# Altium PCB US_EPS_GHW.PcbDoc (part 2 of 3)
Units mm, origin at the board's own origin, x right, y up, seen from the top; angles counter-clockwise.
Board outline 89 x 93.3 mm, 4 copper layers (Top Layer, Ground Plane, Signal Layer 1, Bottom Layer), stack 1.643 mm thick; 363 components, 215 nets, 1168 pads, 510 vias.
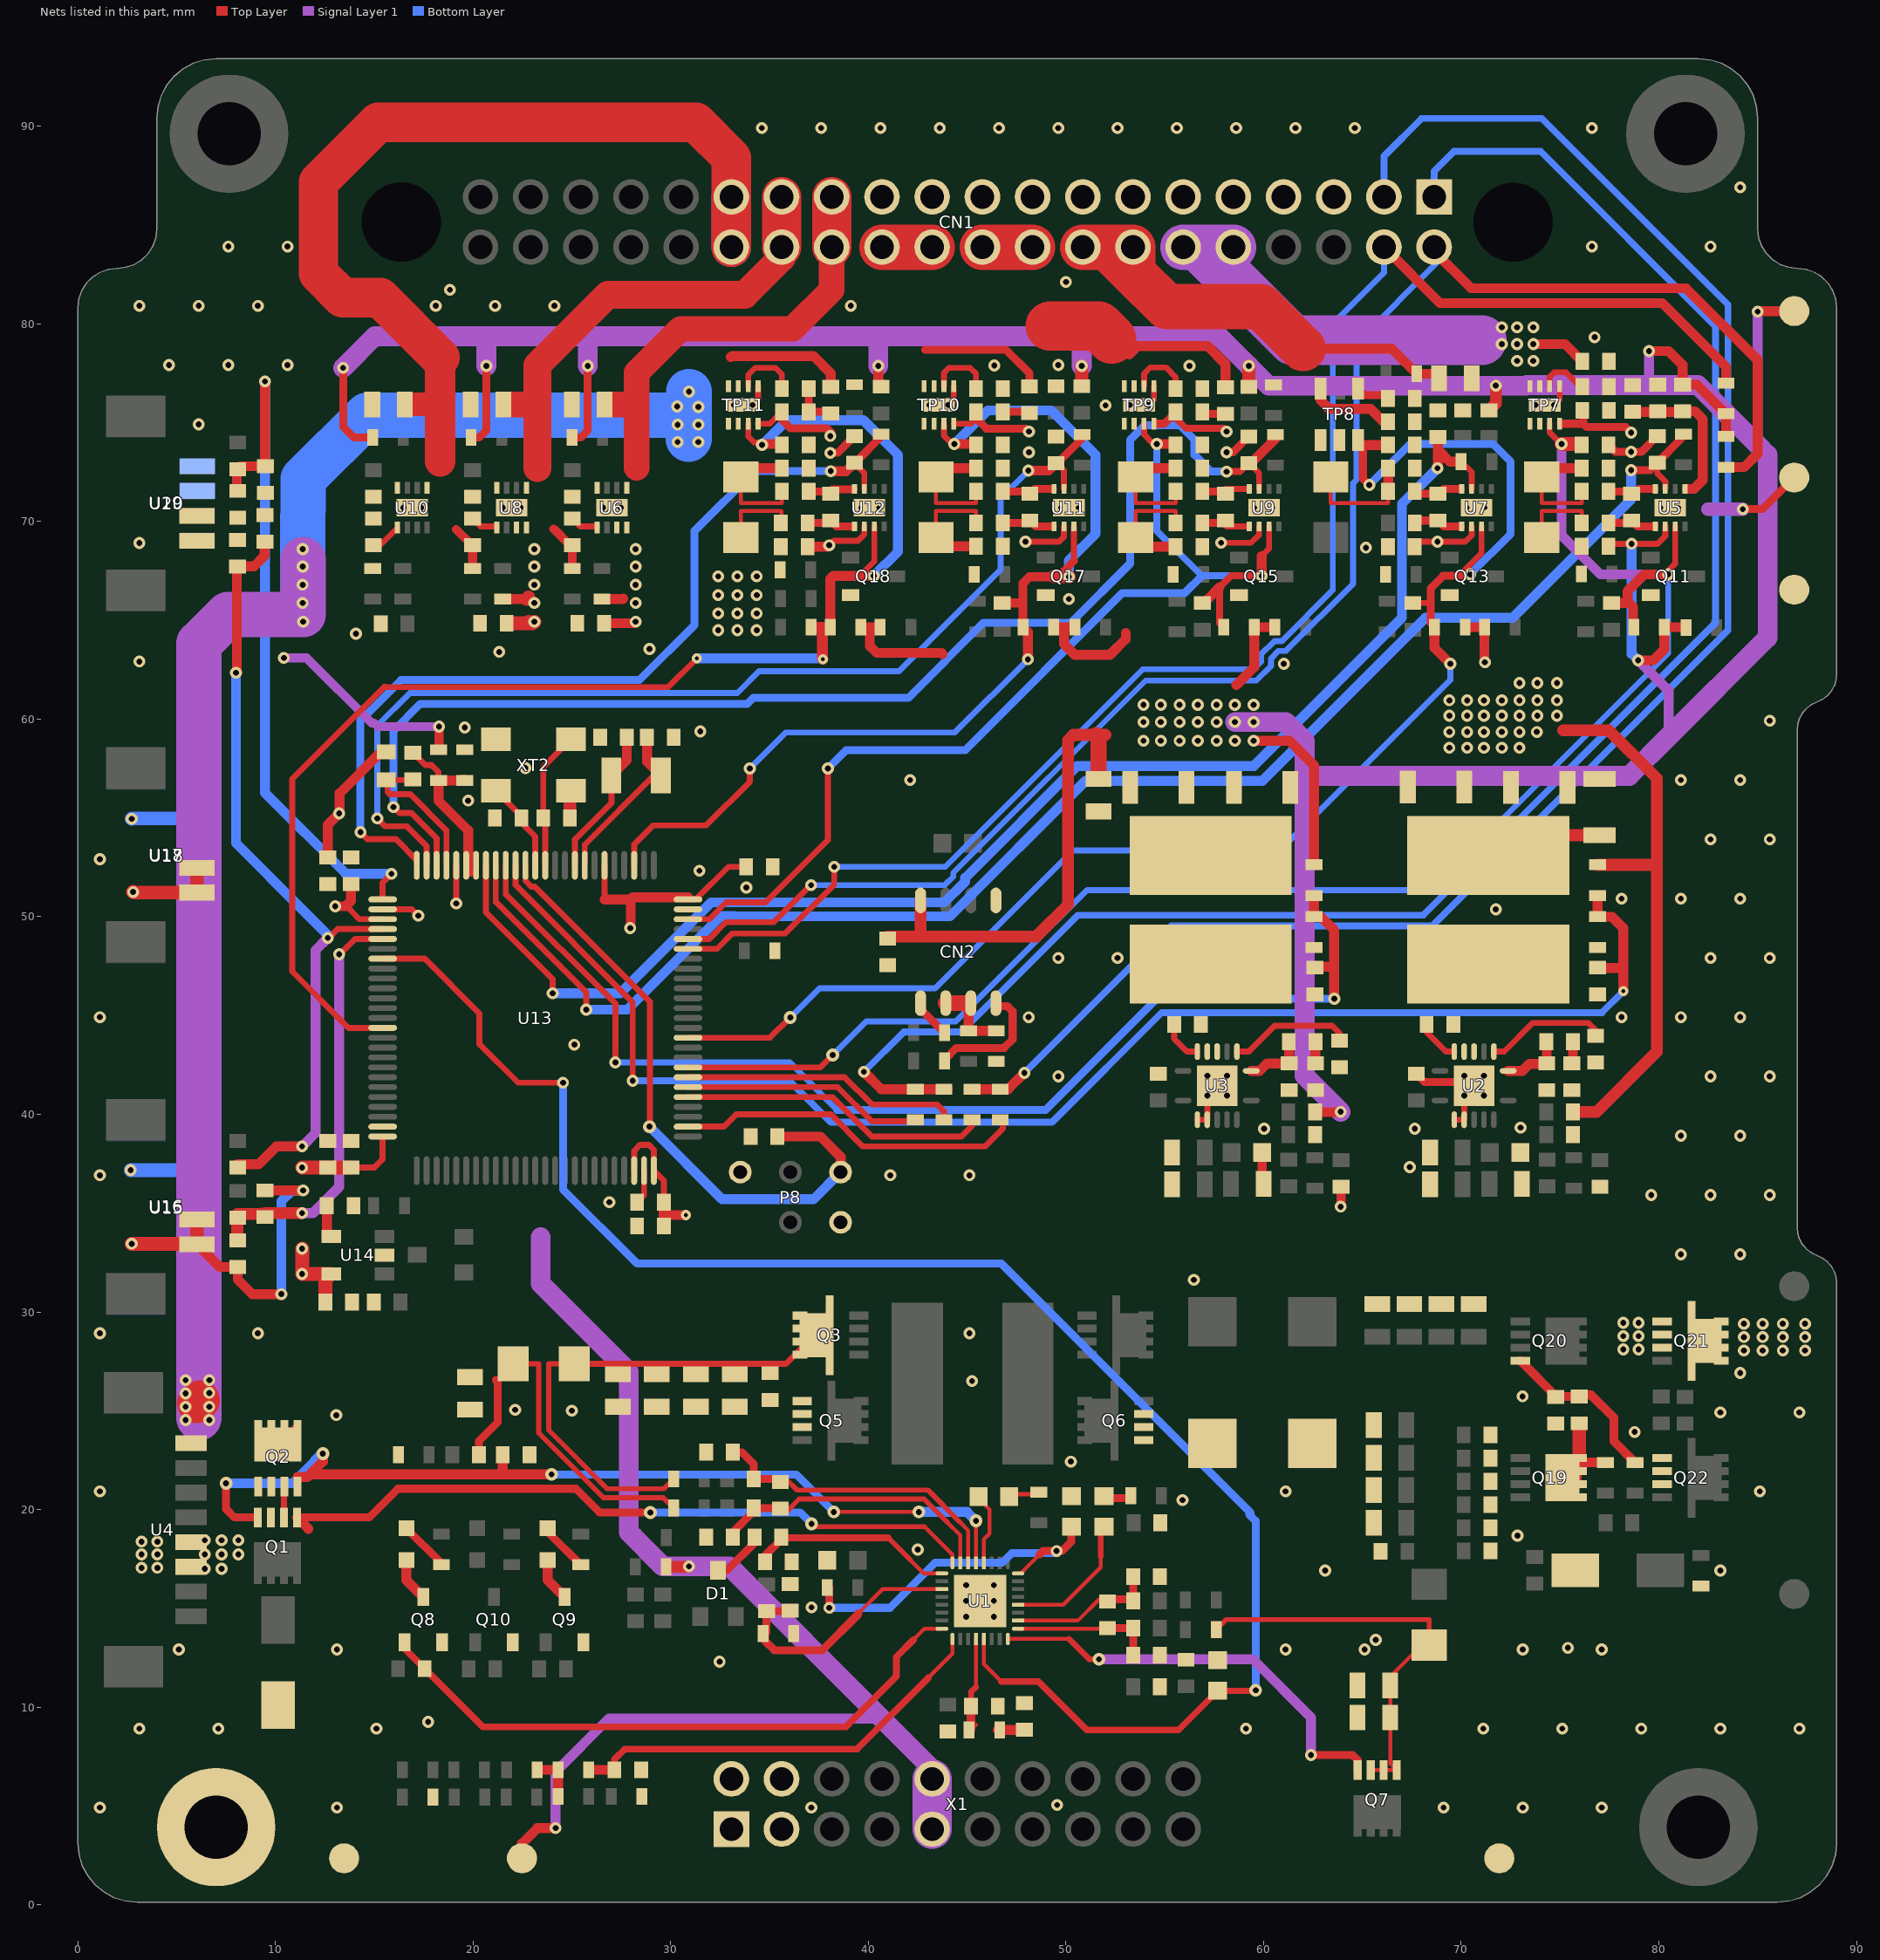
[diagram p4: the nets of this part, all layers, seen from the top]

## Via types
v1: diameter 0.605, hole 0.3, Top Layer to Bottom Layer, tented both sides, 438 vias
v2: diameter 0.65, hole 0.3, Top Layer to Bottom Layer, tented both sides, 23 vias
v3: diameter 0.605, hole 0.3, Top Layer to Bottom Layer, 16 vias
v4: diameter 0.605, hole 0.3, Top Layer to Bottom Layer, tented bottom, 14 vias
v5: diameter 0.51, hole 0.2, Top Layer to Bottom Layer, tented bottom, 10 vias
v6: diameter 0.51, hole 0.2, Top Layer to Bottom Layer, tented both sides, 8 vias
v7: diameter 0.8, hole 0.4, Top Layer to Bottom Layer, tented both sides, 1 vias

## Nets (pads, with @x,y where several pads share a name; then routed paths per layer and width w, separated by ;. In a path a pad name is that pad's centre, name@x,y a point inside that pad or via, vN(x,y) a via of type N, cw(c..) or ccw(c..) an arc to the next point about the centre after c; other vN are vias at no path point)
3V3: C62.2 C63.2 C64.2 C79.1 C88.2 C99.2 C110.2 C112.2 C118.2 C135.2 CN2.8 L3.2 R62.2 R63.2 R69.1 R70.1 R74.1 R77.2 R78.1 R83.2 R87.2 R91.1 R93.2 R96.2 R100.1 R102.2 R106.1 R107.2 R109.1 R111.2 R115.1 R116.2 R119.1 R122.1 R126.2 R130.2 R134.1 R136.2 R139.2 TP14.0 U5.2 U6.3 U6.4 U7.2 U9.2 U11.2 U12.2 | length 282.8
  Top Layer w0.2: R115.1@43.425,69.188 43.425,70.525 45.45,70.525 R116.2@45.45,69.925 ; R100.1@53.525,69.188 53.525,70.525 55.55,70.525 R102.2@55.55,69.925
  Top Layer w0.3: v1(38.022,68.797) 38.25,69.025 39.475,69.025 39.8,69.35 U12.2@39.8,69.75 ; v1@47.975,69 v1(47.95,68.975) 49.65,68.975 49.9,69.225 U11.2@49.9,69.75 ; v1(57.85,68.925) 59.375,68.925 59.775,69.325 U9.2@59.775,69.75 ; C88.2@67.636,68.725 67.911,69 67.933,68.978 v1(68.8,68.978) 70.203,68.978 70.525,69.3 U7.2@70.525,69.75 ; C79.1@77.45,68.743 77.607,68.9 77.632,68.875 v1(78.625,68.875) 79.925,68.875 80.325,69.275 U5.2@80.325,69.75
  Top Layer w0.4: v1(13.425,77.775) 13.425,74.8 13.975,74.25 R130.2@14.925,74.25 ; R107.2@19.9,74.25 20.3,74.25 20.675,74.625 v1(20.675,77.875) ; R87.2@25,74.25 25.45,74.25 25.8,74.6 25.8,76.816 v1(25.8,77.875)
  Top Layer w0.5: R83.2@26.525,66.075 27.575,66.075 27.6,66.1 ; C112.2@26.625,64.85 28.15,64.85 v1(28.225,64.925) ; C118.2@36.925,68.725 37.95,68.725 v1(38.022,68.797) ; R134.1@39.625,64.65 40.075,64.65 ; v1(40.5,77.875) 40.5,77.125 40.725,76.9 R136.2@40.65,76.825 ; R139.2@40.6,64.65 40.075,64.65 ; R115.1@43.425,69.188 43.87,68.743 C110.2@45.45,68.743 ; 43.75,63.3 43.7,63.35 40.425,63.35 40.075,63.7 40.075,64.65 ; R119.1@49.375,64.65 49.912,64.65 ; R126.2@50.45,64.65 49.912,64.65 ; 53.025,64.35 53.025,64.05 52.225,63.25 50.45,63.25 49.9,63.8 49.9,64.638 49.912,64.65 ; R100.1@53.525,69.188 53.988,68.725 C99.2@55.55,68.725 ; 58.625,61.725 59.525,62.625 R106.1@59.525,64.65 R111.2@60.575,64.65 ; v1(59.5,58.9) 61.3,58.9 62.55,57.65 R63.2@62.55,52.625 ; R62.2@62.6,40.107 63.882,40.107 v1(63.9,40.125) ; R91.1@70.2,64.65 R96.2@71.175,64.65 71.175,62.9 v1(71.2,62.875) ; v1(78.95,62.975) 79.725,62.975 80.275,63.525 R74.1@80.275,64.65 81.353,64.65 R78.1@81.375,64.628 ; v1(79.5,78.625) 80.5,78.625 81.2,77.925 R77.2@81.2,76.925 ; R77.2@81.3,77.025 R77.2@81.2,76.925 ; R70.1@83.4,74.3 R69.1@83.4,75.45 81.925,76.925 R77.2@81.2,76.925 ; v1(85,80.625) 85.025,80.65 TP14.0@86.85,80.65
  Top Layer w0.6: C135.2@40.975,49 42.675,49 ; CN2.8@42.645,50.825 42.645,49.03 42.675,49 ; 52,59.2 51.525,59.2 50.375,59.2 50.1,58.925 50.1,50.6 48.5,49 42.675,49 ; R93.2@71.4,75.625 71.75,75.975 v1(71.75,76.875)
  Top Layer w0.65: R122.1@50.8,76.85 v1(50.8,77.875) ; L3.2@58.175,52.25 L3.2@57.325,53.1 L3.2@58.35,54.125 ; R109.1@59.25,76.814 v1(59.25,77.875)
  Top Layer w0.8: 51.525,59.2 51.65,59.075 C62.2@51.65,56.977
  Signal Layer 1 w0.4: 20.675,79.3 20.75,79.375 ; 25.8,79.275 25.9,79.375
  Signal Layer 1 w0.5: v1(78.95,62.975) 80.5,61.425 80.5,59.125 ; 79.5,76.875 79.5,76.903 v1(79.5,78.625) ; 85,73.875 v1(85,80.625)
  Signal Layer 1 w0.8: 73.307,76.875 79.5,76.875
  Signal Layer 1 w1: v1(13.425,77.775) 15.025,79.375 20.75,79.375 25.9,79.375 40.725,79.375 ; v1(20.675,77.875) 20.675,79.3 ; v1(25.8,77.875) 25.8,79.275 ; v1(40.5,77.875) 40.5,79.15 40.725,79.375 ; v1(50.8,77.875) 50.8,79.3 50.725,79.375 ; v1(58.55,59.85) v1(59.5,59.85) 61.125,59.85 62.075,58.9 62.075,57.375 ; v1(63.9,40.125) 62.075,41.95 62.075,57.375 ; 40.725,79.375 50.725,79.375 ; 50.725,79.375 57.75,79.375 v1(59.25,77.875) 60.25,76.875 v1(71.75,76.875) 73.307,76.875 73.335,76.903 79.5,76.903 81.972,76.903 85,73.875 85.5,73.375 85.5,64.125 80.5,59.125 78.5,57.125 62.325,57.125 62.075,57.375
  Bottom Layer w0.5: v1(78.625,68.875) 78.625,63.3 v1(78.95,62.975)
  other v1: 53.925,58.9 54.8,58.9 55.75,58.9 56.675,58.9 57.625,58.9 58.55,58.9 53.925,59.85 54.8,59.85 55.75,59.85 56.675,59.85 57.625,59.85 53.925,60.725 54.8,60.725 55.75,60.725 56.675,60.725 57.625,60.725 58.55,60.725 59.5,60.725 28.225,65.875 28.225,66.8 28.225,67.725 28.225,68.6
3V3_CH3: C95.2 CN1.18 CN1.20 TP9.7 TP9.8 | length 12.4
  Top Layer w0.5: 53.2,78.45 53.625,78.875 57.175,78.875 58.075,77.975 C95.2@58.075,76.8
  Top Layer w1: CN1.18@48.285,83.86 CN1.18@48.31,83.885
  Top Layer w2.3: CN1.20@45.77,83.885 47,83.885 ; 47.15,83.885 CN1.18@48.31,83.885
  Top Layer w2.5: 49.2,79.9 51.65,79.9 52.313,79.237
3V3_CH4: C105.2 CN1.22 CN1.24 TP10.7 TP10.8 | length 9.5
  Top Layer w0.4: 42.875,78.7 46.95,78.7 48.15,77.5 C105.2@48.15,76.836
  Top Layer w0.7: CN1.22@42.875,83.53 CN1.22@43.23,83.885
  Top Layer w2.3: CN1.24@40.69,83.885 CN1.22@43.23,83.885
3V3_LINE: C91.2 CN1.25 CN1.26 U6.5 | length 22.3
  Top Layer w1.3: C91.2@27,75.925 28.2,75.925 28.275,76 ; 28.275,72.725 28.275,76 ; 28.275,77.525 28.275,76 ; 28.35,77.6 30.5,79.75 36.175,79.75 38.15,81.725 CN1.26@38.15,83.885
  Top Layer w2: CN1.26@38.15,83.885 CN1.25@38.15,86.425
3V3_MCU: C119.2 C120.2 C121.2 C122.2 C123.2 C124.2 C125.2 C126.2 FB1.2 P8.5 R34.2 TP4.0 U13.6 U13.21 U13.28 U13.50 U13.73 U13.75 U13.100 U14.5 X1.9 X1.10 | length 105.7
  Top Layer w0.3: 13.7,50.431 13.83,50.301 13.83,50.295 14.25,49.875 U13.28@15.425,49.875 ; C126.2@13.7,51.525 C126.2@13.825,51.65 ; C122.2@13.825,37.3 15,37.3 15.425,37.725 U13.50@15.425,38.875 ; v1(19.15,50.675) U13.21@19.15,52.6 ; 26.65,50.875 U13.6@26.65,52.6 ; U13.73@28.15,37.15 28.15,38.15 28.45,38.45 28.9,38.45 29.15,38.2 U13.75@29.15,37.15 29.65,36.65 C119.2@29.65,35.55 ; U13.100@30.875,50.875 31.27,50.875 32.92,52.525 C125.2@33.814,52.525
  Top Layer w0.5: C123.2@12.65,53 12.65,54.65 v1(13.225,55.225) 13.25,55.25 13.25,56.25 15.33,58.33 FB1.2@15.6,58.33 ; v1(13.025,50.525) 13.55,50.525 13.825,50.8 C126.2@13.825,51.65 ; TP4.0@22.475,2.35 22.475,3.1 23.25,3.875 v1(24.175,3.875) ; 26.65,50.875 27.975,50.875 ; v1(27.95,49.425) 27.975,49.45 27.975,50.875 ; C120.2@29.65,34.425 29.65,35.05 ; C119.2@29.725,35.625 C119.2@29.65,35.55 29.65,35.05 ; v6(30.775,34.9) 29.8,34.9 29.65,35.05 ; U13.100@30.875,50.975 28.075,50.975 27.975,50.875 ; v1@30.9,17.1 v1(30.925,17.125)
  Top Layer w0.6: R34.2@30,17.1 v1@30.9,17.1
  Top Layer w0.7: v1(11.35,33.2) v1(11.35,31.925) U14.5@12.825,31.925 12.525,31.625 C121.2@12.525,30.5 ; v1(11.35,37.3) C124.2@12.65,37.3 C122.2@13.825,37.3 ; X1.9@43.23,3.28 X1.9@43.23,3.825
  Signal Layer 1 w0.5: v1(24.175,3.875) 24.175,6.725 26.875,9.425 40.675,9.425
  Signal Layer 1 w0.8: X1.10@43.23,6.365 X1.10@43.23,6.745
  Signal Layer 1 w1: 23.425,33.775 23.425,31.425 27.875,26.975 27.875,18.85 29.6,17.125 v1(30.925,17.125) 32.975,17.125 40.675,9.425 43.23,6.87 X1.10@43.23,6.745
  Signal Layer 1 w2: X1.9@43.23,3.825 X1.10@43.23,6.365
5V: C50.2 C51.2 C52.2 C75.2 C77.2 C98.2 C108.2 C117.2 L2.2 R53.2 R54.2 R71.1 R72.2 R84.2 R131.1 R132.2 TP2.0 TP7.4 TP9.4 TP10.4 TP11.4 U8.3 U8.4 | length 73.2
  Top Layer w0.2: R131.1@33.55,69.188 33.55,70.525 35.6,70.525 35.6,69.925 R132.2@35.575,69.925 ; R71.1@74.075,69.187 74.075,70.525 76.1,70.525 R72.2@76.1,69.925 R72.2@76.1,69.9
  Top Layer w0.254: R71.1@73.95,68.95 R71.1@73.95,69.187
  Top Layer w0.3: TP11.4@34.425,74.95 35.025,74.95 C117.2@35.625,75.55 ; TP10.4@44.325,74.95 45.2,74.95 45.45,75.2 45.45,75.225 C108.2@45.45,75.55 ; TP7.4@74.975,74.95 TP7.4@75.025,74.95
  Top Layer w0.35: C98.2@55.55,75.525 55.55,75.25 56.089,74.711 57.964,74.711 v1(58.125,74.55)
  Top Layer w0.4: C117.2@35.625,75.55 35.625,75.15 36.064,74.711 37.914,74.711 38.125,74.5 38.125,74.35 38.1,74.35 v1(38.075,74.325) ; C108.2@45.45,75.225 45.975,74.7 47.975,74.7 v1(48.125,74.55) ; TP9.4@54.5,74.95 54.975,74.95 C98.2@55.55,75.525 ; L2.2@68.15,54.5 71.125,54.5 71.375,54.25 L2.2@71.375,54.475 ; TP7.4@75.025,74.95 76.175,74.95 ; C75.2@76.125,75.55 76.175,75.5 76.175,74.95 ; v1(78.6,74.5) 78.325,74.775 76.35,74.775 76.175,74.95 ; v1(84.25,70.625) 85.25,70.625 TP2.0@86.85,72.225
  Top Layer w0.5: R84.2@21.5,66.075 22.725,66.075
  Top Layer w0.6: L2.2@71.375,53.1 72.4,54.125 C52.2@77,54.125 ; 75.15,59.425 77.475,59.425 79.9,57 79.9,52.625 ; R53.2@75.65,40.125 76.85,40.125 79.9,43.175 79.9,52.625 ; R54.2@76.9,52.625 79.9,52.625
  Top Layer w0.7: C77.2@21.7,64.85 22.75,64.85 ; 22.725,66.075 22.8,66.15 ; v1@22.825,64.925 22.75,64.85 ; v1(23.1,64.925) 23.025,64.85 22.75,64.85 ; L2.2@71.375,53.1 L2.2@72.225,52.25
  Signal Layer 1 w0.7: 82.5,70.625 v1(84.25,70.625)
  other v1: 69.4,58.55 70.3,58.55 71.15,58.55 72.05,58.55 72.95,58.55 69.4,59.35 70.3,59.35 71.15,59.35 72.05,59.35 72.95,59.35 73.825,59.35 69.4,60.175 70.3,60.175 71.15,60.175 72.05,60.175 72.95,60.175 73.85,60.175 74.85,60.175 69.4,60.95 70.3,60.95 71.15,60.95 72.05,60.95 72.95,60.95 73.85,60.95 74.85,60.95 72.95,61.825 73.85,61.825 74.85,61.825 32.4,64.5 33.375,64.5 34.35,64.5 32.4,65.35 33.375,65.35 34.35,65.35 23.1,65.875 32.4,66.275 33.375,66.275 34.35,66.275 23.1,66.8 32.4,67.225 33.375,67.225 34.35,67.225 23.1,67.725 23.1,68.6
5V_CH1: C72.2 CN1.10 CN1.12 TP7.7 TP7.8 | length 21.4
  Top Layer w0.5: v1(73.65,78.975) 75.25,78.975 C72.2@76.125,78.1
  Signal Layer 1 w2.3: CN1.12@55.93,83.885 CN1.10@58.47,83.885
  Signal Layer 1 w2.5: 56.9,83.75 61.475,79.175 71.047,79.175
  other v1: 72.825,78.125 73.65,78.125 72.05,78.975 72.825,78.975 72.05,79.825 72.825,79.825 73.65,79.825
5V_CH5: C114.2 TP11.7 TP11.8 U4.8 | length 86.2
  Top Layer w0.5: 33.05,78.325 33.1,78.375 37.225,78.375 38.1,77.5 C114.2@38.1,76.811
  Top Layer w0.7: C114.2@38.075,76.836 C114.2@38.1,76.811
  Top Layer w2: 6.025,25.375 6.175,25.525
  Signal Layer 1 w2.3: 6.125,24.65 6.125,63.825 7.6,65.3 11.4,65.3 11.4,68.075
  Bottom Layer w2.3: 11.375,65.375 v1(11.375,65.875) v1@11.375,66.775 ; 30.9,74.175 30.925,74.2 30.925,75.388 ; v1(30.925,76.575) 30.925,75.388 ; v1@11.375,66.775 v1(11.375,66.8) ; v1@11.375,66.775 v1(11.375,66.8) ; v1(11.375,66.8) 11.384,66.809 11.384,68.053 ; v1(11.375,66.8) v1(11.381,67.725) 11.381,68.044 11.381,68.05 ; 11.381,68.05 11.384,68.053 ; 11.381,68.05 v1@11.383,68.6 ; 11.384,68.053 v1(11.384,68.6) ; v1(11.384,68.6) v1@11.384,68.7 ; v1@11.383,68.6 v1@11.384,68.7 ; v1@11.384,68.7 11.4,72.15 14.638,75.388 30.925,75.388
  other v1: 5.45,24.525 6.65,24.525 5.45,25.2 6.65,25.2 5.45,25.875 6.65,25.9 5.45,26.55 6.65,26.55 11.4,64.925 30.35,74.025 31.4,74.025 30.35,74.9 31.4,74.9 31.4,75.8 30.325,75.825
5V_LINE: C90.2 CN1.27 CN1.28 U8.5 | length 24.4
  Top Layer w1.3: C90.2@21.775,75.925 23.15,75.925 ; CN1.28@35.61,83.335 CN1.28@35.61,83.885
  Top Layer w1.4: 23.15,75.925 23.25,76.025 ; 23.25,72.7 23.25,76.025 ; CN1.28@35.61,83.335 33.75,81.475 26.825,81.475 23.25,77.9 23.25,76.025
  Top Layer w2: CN1.28@35.61,83.885 CN1.27@35.61,86.425
7V4: C102.2 CN1.29 CN1.30 U10.5 | length 49.4
  Top Layer w1.2: C102.2@16.8,75.925 18.225,75.925
  Top Layer w1.4: 18.225,75.925 18.325,75.825 18.375,75.775
  Top Layer w1.55: 18.325,73.05 18.325,75.825 18.325,78.3
  Top Layer w2: 18.325,78.3 15.3,81.325 13.4,81.325 12.175,82.55 12.175,87.175 15.2,90.2 31.275,90.2 33.07,88.405 CN1.29@33.07,86.425 CN1.30@33.07,83.885
  Signal Layer 1 w2: CN1.30@33.07,83.885 CN1.29@33.07,86.425
7V4_CH2: C83.2 C84.2 CN1.14 CN1.16 R90.1 TP8.6 | length 27.9
  Top Layer w0.5: 62,78.75 66.475,78.75 R90.1@67.75,77.475 68.65,77.475 C84.2@68.875,77.25 ; TP8.6@62.875,76.725 62.875,76.15 63.325,75.7 65.414,75.7 66.064,75.05 C83.2@66.3,75.05
  Top Layer w1: CN1.14@53.313,83.808 CN1.14@53.39,83.885
  Top Layer w2.3: CN1.16@50.85,83.885 52.09,83.885 ; 62,78.75 59.875,80.875 55.1,80.875 53.39,82.585 ; 52.09,83.885 CN1.14@53.39,83.885 53.39,82.585 ; 52.09,83.885 53.39,82.585
ACOK: Q8.1 R44.1 U1.24 | length 31.8
  Top Layer w0.2: 42.275,13.4 42.85,13.975 U1.24@43.725,13.975
  Top Layer w0.35: Q8.1@16.525,13.275 16.525,12.975 R44.1@17.55,11.95 20.5,9 38.859,9 41.418,11.559 41.425,11.559 41.425,12.55 42.275,13.4
ADP: Q1.1 Q2.1 U1.16 | length 38
  Top Layer w0.2: 42.85,19.125 44.25,17.725 U1.16@44.25,17.3
  Top Layer w0.25: v2(37.125,19.275) 37.275,19.125 42.85,19.125
  Top Layer w0.3: Q1.1@10.43,19.6 10.43,21.14 Q2.1@10.455,21.165
  Top Layer w0.4: Q1.1@11.09,19.6 14.744,19.6 16.194,21.05 25.2,21.05 26.4,19.85 v2(28.975,19.85)
  Top Layer w0.5: Q1.1@11.09,19.6 11.665,19.025
  Bottom Layer w0.4: v2(28.975,19.85) 36.55,19.85 v2(37.125,19.275)
AGND: C129.1 R142.1 R144.1 U13.19 U13.20 | length 8.8
  Top Layer w0.3: C129.1@16.95,58.3 17.575,57.675 17.9,57.675 18.25,57.325 R144.1@18.25,56.9
  Top Layer w0.5: R142.1@19.525,56.95 R142.1@19.575,56.9 R144.1@18.25,56.9 18.25,55.875 19.75,54.375 19.75,52.425 19.9,52.275
BATGONE: R22.1 R40.1 R47.2 | length 2.4
  Top Layer w0.5: R40.1@23.25,6.825 R22.1@24.3,6.825 R47.2@24.3,5.475
BGATE: Q7.2 U1.32 | length 21.9
  Top Layer w0.2: U1.32@47.05,13.45 50.15,13.45
  Top Layer w0.3: 50.15,13.45 51.175,12.425 v2(51.675,12.425)
  Top Layer w0.4: v1(62.4,7.575) 64.5,7.575 64.76,7.315 Q7.2@64.76,6.81
  Signal Layer 1 w0.5: v2(51.675,12.425) 59.45,12.425 62.4,9.475 v1(62.4,7.575)
BTGATE1: Q20.2 R152.1 R153.2 R156.2 | length 8.7
  Top Layer w0.45: Q20.2@72.99,27.535 74.811,25.714 R152.1@75.975,25.714 76.061,25.8 76.575,25.8 77.725,24.65 77.725,23.457 R156.2@78.8,22.382
BTGATE2: Q19.3 R152.2 R157.2 | length 5.7
  Top Layer w0.5: Q19.3@75.025,22.275 75.408,21.893 75.897,22.382 R157.2@77.3,22.382 ; Q19.3@75.1,21.358 Q19.3@75.115,21.343 ; Q19.3@75.85,22.333 75.85,21.34 Q19.3@75.865,21.325
  Top Layer w0.7: Q19.3@75.897,22.382 75.975,22.46 R152.2@75.975,24.364
BUSY_GPIO: R147.1 U13.82 | length 14.1
  Top Layer w0.3: U13.82@30.875,41.875 38.8,41.875 40.175,40.5 43.475,40.5 43.825,40.15 R147.1@43.825,39.725
BUSY_IN: R148.1 U13.81 | length 12.2
  Top Layer w0.3: U13.81@30.875,41.375 38.45,41.375 40.175,39.65 42.3,39.65 R148.1@42.375,39.725
DGND: C1.2 C2.1 C3.1 C4.1 C5.1 C6.1 C7.1 C8.1 C9.1 C10.1 C11.1 C12.1 C13.1 C14.1 C15.1 C16.1 C17.2 C18.1 C19.1 C20.1 C21.1 C22.1 C23.1 C25.1 C26.1 C27.1 C30.1 C31.1 C33.2 C34.2 C35.1 C36.1 C37.2 C38.1 C39.1 C40.1 C41.2 C42.2 C43.1 C44.1 C119.1 C120.1 C121.1 C122.1 C123.1 C124.1 C125.1 C126.1 C127.1 C128.1 C130.1 C131.1 C132.1 C133.1 C134.1 D5.1 D7.1 P8.2 pad.4 Q5.1 Q6.1 Q8.2 Q9.2 Q10.2 Q21.1 Q22.1 R19.1 R20.2 R23.1 R28.1 R49.1 R50.1 R118.1 R142.2 R153.1 R158.1 TP1.0 TP3.0 U1.33 U4.3 U4.4 U13.27 U13.49 U13.74 U13.99 U14.2 X1.1 X1.2 X1.3 X1.4 XT2.2 XT2.4 | length 5.2
  Top Layer w0.157: D7.1@76.525,16.925 D7.1@76.6,16.85
  Top Layer w0.3: U13.27@15.425,50.375 16.9,50.375 v1(17.225,50.05) ; C119.1@28.3,35.55 28.65,35.9 U13.74@28.65,37.15
  Top Layer w0.5: v1(26.9,35.55) v1@26.925,35.525
  Top Layer w0.65: C132.1@24.9,55 24.9,56.325 XT2.2@24.95,56.375
  other v1: 1.112,4.915 13.112,4.915 37.112,4.915 69.112,4.915 73.112,4.915 77.112,4.915 49.55,5.05 3.112,8.915 7.112,8.915 15.112,8.915 59.112,8.915 71.112,8.915 75.112,8.915 79.112,8.915 83.112,8.915 87.112,8.915 17.725,9.25 5.112,12.915 13.112,12.915 61.112,12.915 65.112,12.915 73.112,12.915 77.112,12.915 75.4,13 65.675,13.4 37.125,15.05 63.112,16.915 83.112,16.915 6.425,17 7.275,17 3.225,17.05 4.025,17.05 3.225,17.725 4.025,17.725 6.425,17.725 7.275,17.725 8.125,17.725 42.5,17.975 3.225,18.375 4.025,18.375 6.425,18.45 7.275,18.45 8.125,18.45 72.85,18.675 55.9,20.475 1.112,20.915 61.112,20.915 85.112,20.915 50.25,22.425 78.775,23.925 83.112,24.915 87.112,24.915 25,25 22.125,25.05 73.1,25.725 45.25,26.5 78.2,28.1 78.975,28.1 78.2,28.775 78.975,28.775 1.112,28.915 9.112,28.915 45.112,28.915 78.2,29.45 78.975,29.45 56.475,31.625 1.112,36.915 41.112,36.915 45.112,36.915 25.125,43.525 1.112,44.915 33.825,51.475 31.45,52.325 1.112,52.915 19.75,55.875 22.65,57.525 31.5,59.375 19.575,59.575
  other v3: 32.475,12.3 44.95,14.575 46.35,14.575 44.95,15.375 46.35,15.375 44.95,16.175 46.35,16.175 13.075,24.775
GND: C46.1 C47.1 C48.1 C49.1 C50.1 C51.1 C52.1 C53.1 C54.1 C55.1 C56.1 C58.1 C59.1 C60.1 C61.1 C62.1 C63.1 C64.1 C65.1 C66.1 C67.1 C68.1 C69.1 C71.1 C72.1 C73.1 C74.1 C75.1 C76.1 C77.1 C78.1 C79.2 C80.2 C81.1 C83.1 C84.1 C85.1 C86.1 C87.1 C88.1 C89.1 C90.1 C91.1 C93.2 C94.1 C95.1 C96.1 C97.1 C98.1 C99.1 C100.1 C102.1 C104.1 C105.1 C106.1 C107.1 C108.1 C109.2 C110.1 C111.1 C112.1 C113.1 C114.1 C115.1 C116.1 C117.1 C118.1 C135.1 C137.1 C138.1 C139.1 CN1.5 CN1.7 CN1.9 CN1.11 CN1.13 CN1.15 CN1.17 CN1.19 CN1.21 CN1.23 CN2.5 Q11.2 Q13.2 Q15.2 Q17.2 Q18.2 Q21.3 R33.1 R55.1 R56.1 R58.1 R59.1 R64.1 R65.1 R67.1 R68.1 R80.1 R81.2 R82.1 R85.1 R95.1 R98.1 R99.1 R104.1 R105.1 R113.1 R114.1 R127.1 R129.1 R138.1 R141.1 R144.2 R165.1 R167.1 R169.1 R171.1 TP5.0 TP7.5 TP7.9 TP8.2 TP9.5 TP9.9 TP10.5 TP10.9 TP11.5 TP11.9 U2.2 U2.3 U2.15 U3.2 U3.3 U3.15 U5.0 U6.8 U6.9 U7.0 U8.8 U8.9 U9.0 U10.8 U10.9 U11.0 U12.0 U15.1 U15.2 U16.1 U16.2 U17.1 U17.2 U18.1 U18.2 U19.1 U19.2 U20.1 U20.2 | length 72.8
  Top Layer w0.3: v3(34.15,75.9) 34.425,76.175 TP11.5@34.425,76.85 ; v3(44.05,75.9) 44.325,76.175 TP10.5@44.325,76.85 ; v3(54.175,75.9) 54.45,76.175 TP9.5@54.45,76.85 ; R114.1@55.425,67.325 R114.1@55.425,67.55 ; U3.2@56.65,39.725 U3.3@57.15,39.725 v4(57.15,40.95) ; U2.2@69.65,39.725 U2.3@70.15,39.725 v4(70.15,40.95) U2.15@70.65,41.45 ; v3(74.7,75.9) 74.975,76.175 TP7.5@74.975,76.85
  Top Layer w0.4: C113.1@36.975,76.727 C117.1@36.975,75.55 38.011,75.55 C114.1@38.1,75.461 ; v1(38.075,73.475) 38.45,73.475 C115.1@39.3,74.325 ; C108.1@46.8,75.55 48.086,75.55 C105.1@48.15,75.486 ; C98.1@56.9,75.55 57,75.45 C95.1@58.075,75.45 ; v1(58.125,73.5) 58.45,73.5 C97.1@59.25,74.3 ; R56.1@67.725,42.05 68.15,41.625 70.475,41.625 U2.15@70.65,41.45 ; C73.1@77.45,73.875 77.8,73.525 v1(78.6,73.525) 79.125,73.525 C74.1@79.925,74.325
  Top Layer w0.45: R144.2@18.25,58.45 18.275,58.475 v1(18.275,59.625) ; 19.149,69.599 19.949,68.8 C93.2@19.975,68.8 R99.1@19.975,67.625 R99.1@19.774,67.625 ; 24.075,69.625 24.9,68.8 C80.2@25.025,68.8 R82.1@25.025,67.625 ; C60.1@60,36.5 59.925,36.575 C61.1@59.925,38.075 C61.1@60,38 ; v1(63.9,35.325) 63.925,35.35 R64.1@63.925,36.336